# Altium PCB Pleiades_Frouf.PcbDoc (part 2 of 12) (continued)
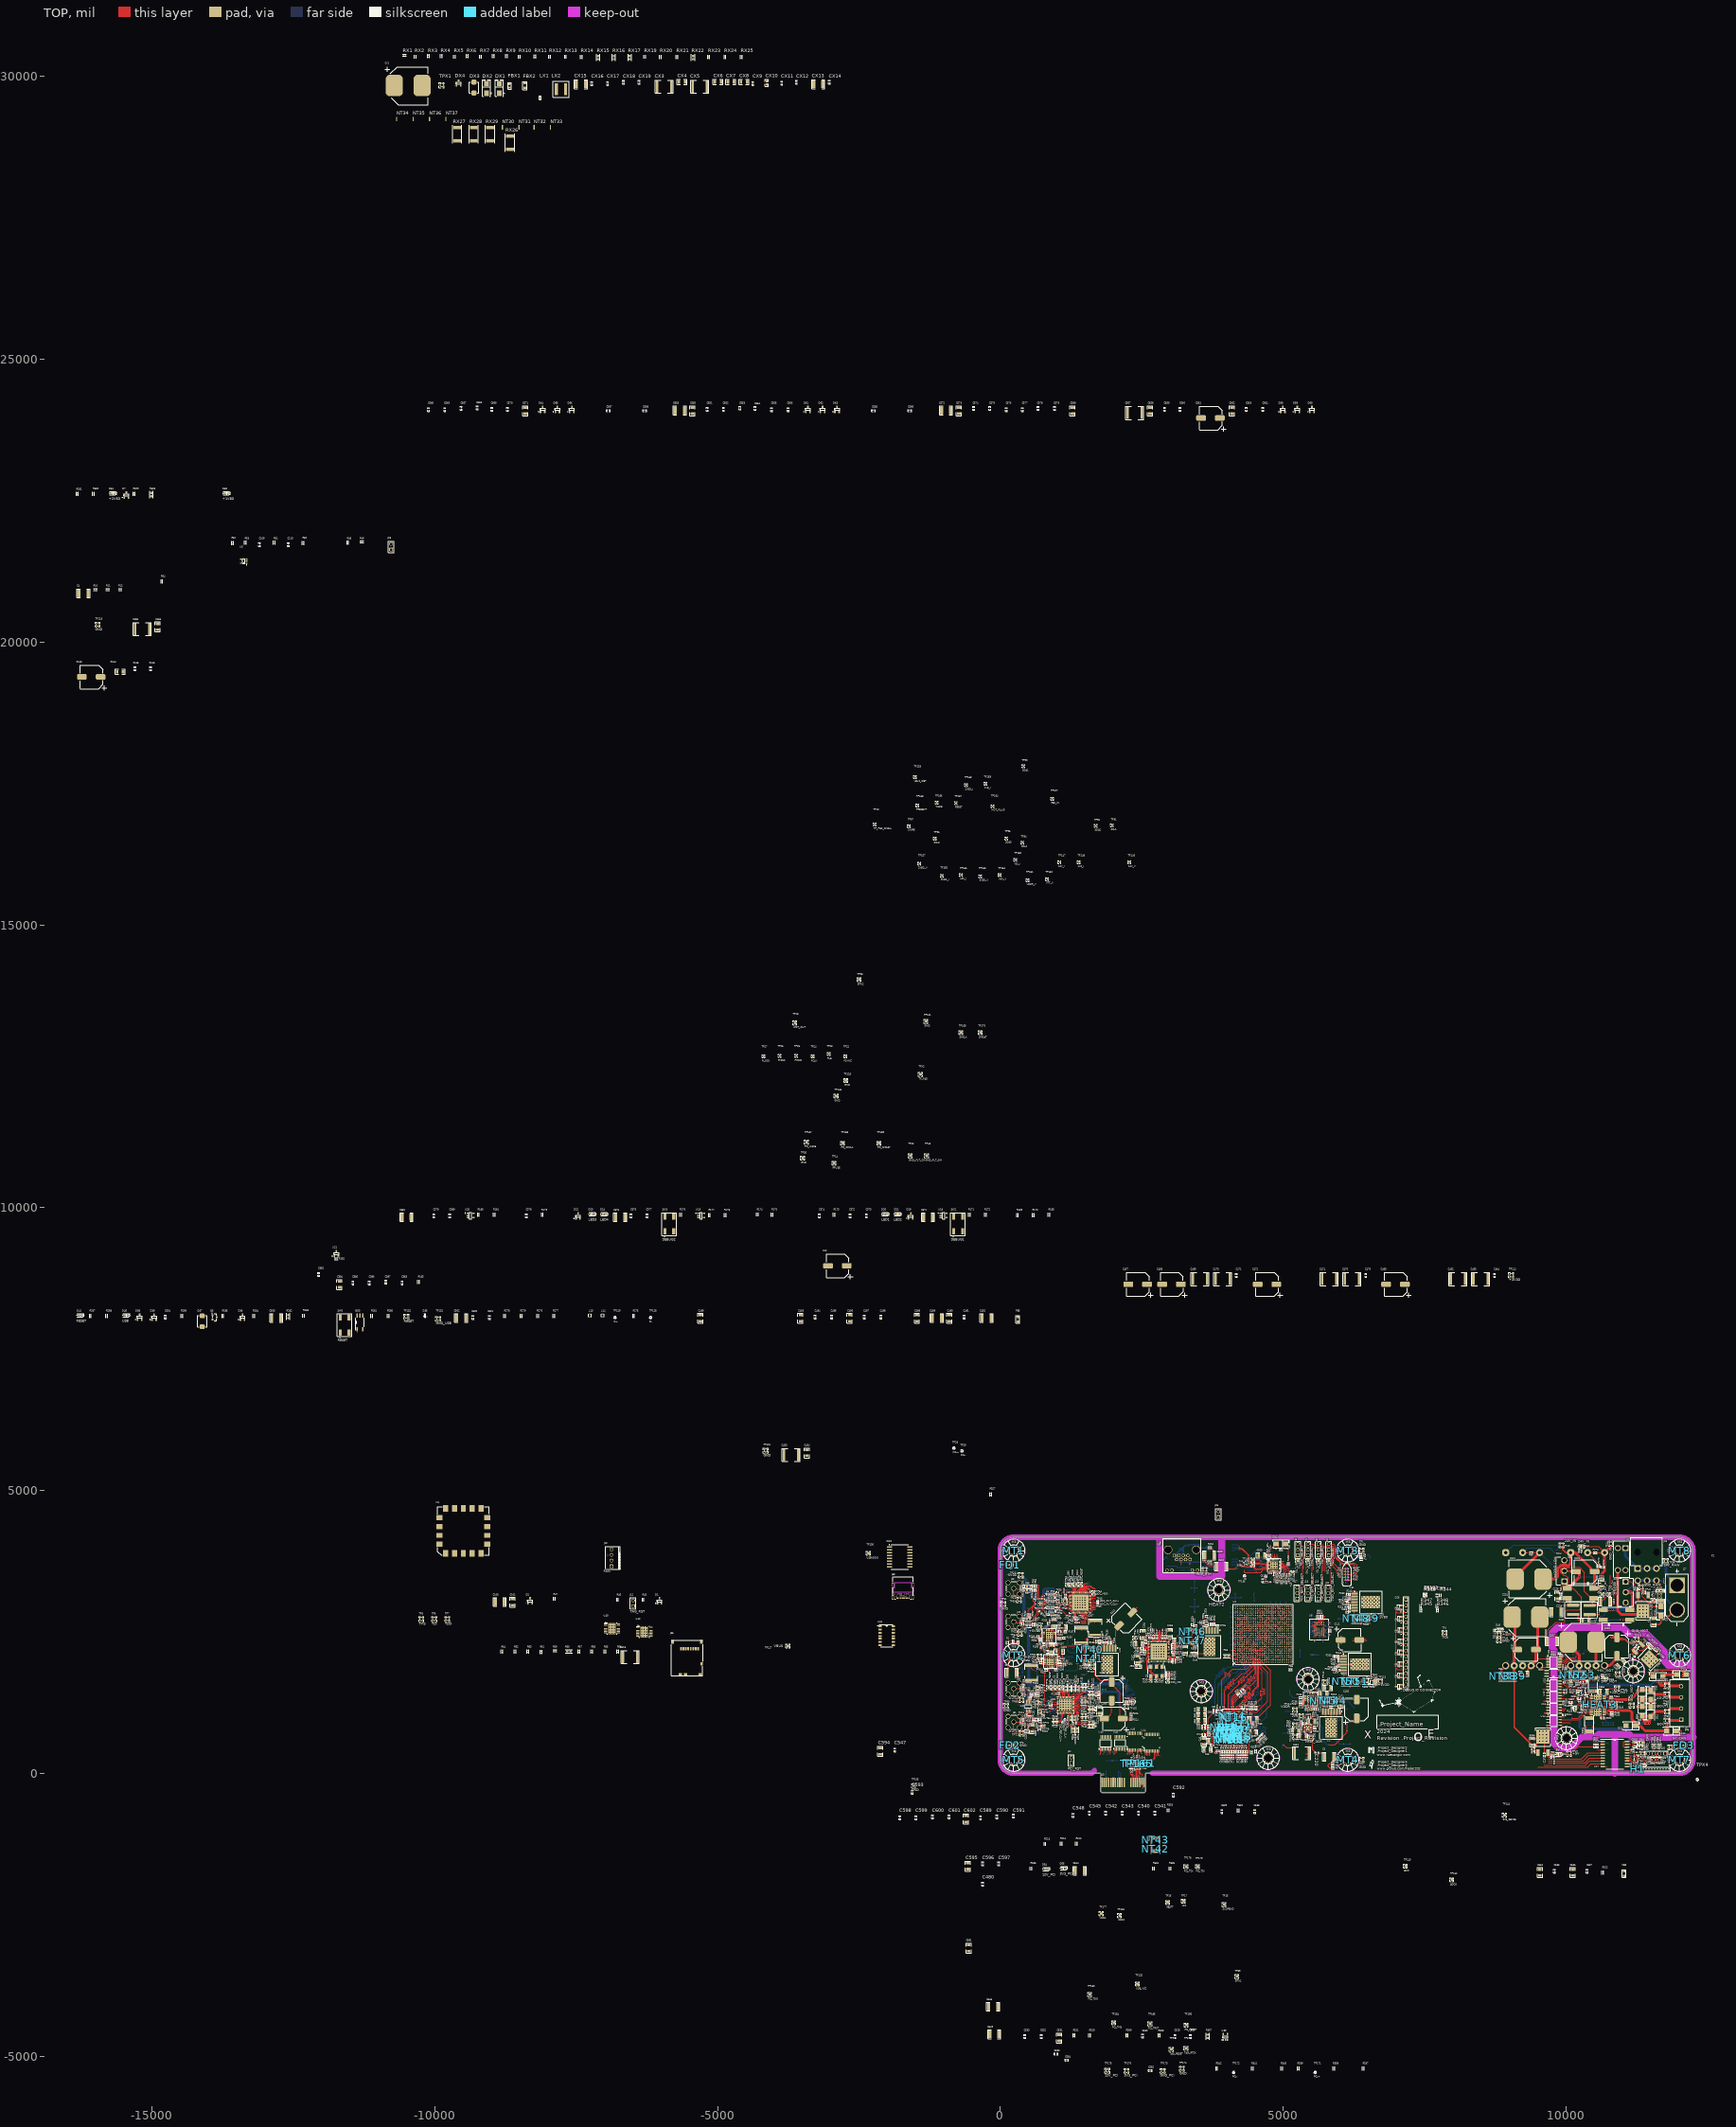
[diagram p0: TOP view]
## Components (designator, comment, footprint, x,y, rotation, side; value= is the part's Value field where it differs from the comment) (continued)
MT3 "M3" MTH_M3 6141.73,3937.01 r0 top locked
MT4 "M3" MTH_M3 6141.73,236.22 r0 top locked
MT5 "M3" MTH_M3 236.22,236.22 r0 top locked
MT6 "M3" MTH_M3 12007.87,2086.61 r0 top locked
MT7 "M3" MTH_M3 12007.87,236.22 r0 top locked
MT8 "M3" MTH_M3 12007.87,3937.01 r0 top locked
NT1 "Net Tie" NETTIE_9#1 4063.99,717.24 r180 top net-tie
NT2 "Net Tie" NETTIE_9#1 4262.2,825.69 r180 top net-tie
NT3 "Net Tie" NETTIE_9#1 4133.63,603.01 r90 top net-tie
NT4 "Net Tie" NETTIE_9#1 4000.01,755 r90 top net-tie
NT5 "Net Tie" NETTIE_9#1 4043.83,668.04 r180 bottom net-tie
NT6 "Net Tie" NETTIE_9#1 4019.36,840.99 r315 bottom net-tie
NT7 "Net Tie" NETTIE_9#1 3938.99,703.76 r0 top net-tie
NT8 "Net Tie" NETTIE_9#1 4036.61,803.54 r45 top net-tie
NT9 "Net Tie" NETTIE_9#1 4196.79,702.15 r180 bottom net-tie
NT10 "Net Tie" NETTIE_9#1 4085.23,781.03 r135 top net-tie
NT11 "Net Tie" NETTIE_9#1 3989.06,668.04 r0 bottom net-tie
NT12 "Net Tie" NETTIE_9#1 3951.5,811.02 r0 top net-tie
NT13 "Net Tie" NETTIE_9#1 4213.82,644.78 r135 top net-tie
NT14 "Net Tie" NETTIE_9#1 4103.34,1014.97 r225 top net-tie
NT15 "Net Tie" NETTIE_9#1 4028.93,639.33 r180 bottom net-tie
NT16 "Net Tie" NETTIE_9#1 4137.28,987.6 r315 top net-tie
NT17 "Net Tie" NETTIE_9#1 4205.18,588.02 r90 top net-tie
NT18 "Net Tie" NETTIE_9#1 4004.35,588.02 r90 top net-tie
NT19 "Net Tie" NETTIE_9#1 4043.86,645.51 r45 top net-tie
NT20 "Net Tie" NETTIE_9#1 4157.19,769.14 r45 top net-tie
NT21 "Net Tie" NETTIE_9#1 4163.38,644.35 r45 top net-tie
NT22 "Net Tie" NETTIE_9#1 4198.87,741.75 r225 bottom net-tie
NT23 "Net Tie" NETTIE_9#1 4025.74,737.03 r315 bottom net-tie
NT24 "Net Tie" NETTIE_9#1 4154.23,846.17 r180 bottom net-tie
NT25 "Net Tie" NETTIE_9#1 4046.84,602.41 r90 top net-tie
NT26 "Net Tie" NETTIE_9#1 4228.76,730 r180 bottom net-tie
NT27 "Net Tie" NETTIE_9#2 4151.54,822.81 r180 top net-tie
NT28 "Net Tie" NETTIE_9#1 4173.03,609.19 r90 top net-tie
NT29 "Net Tie" NETTIE_9#1 4063.04,747.12 r180 top net-tie
NT30 "Net Tie" NETTIE_20 -8802.4,29099.09 r90 top net-tie
NT31 "Net Tie" NETTIE_20 -8512.4,29099.09 r90 top net-tie
NT32 "Net Tie" NETTIE_20 -8242.4,29099.09 r90 top net-tie
NT33 "Net Tie" NETTIE_20 -7952.4,29099.09 r90 top net-tie
NT34 "Net Tie" NETTIE_20 -10672.4,29249.09 r90 top net-tie
NT35 "Net Tie" NETTIE_20 -10382.4,29249.09 r90 top net-tie
NT36 "Net Tie" NETTIE_20 -10092.4,29249.09 r90 top net-tie
NT37 "Net Tie" NETTIE_20 -9802.4,29249.09 r90 top net-tie
NT38 "Net Tie" NETTIE_5 8889.5,1720 r0 top net-tie
NT39 "Net Tie" NETTIE_5 9050.5,1720 r180 top net-tie
NT40 "Net Tie" NETTIE_5 1585,2181.68 r270 top net-tie
NT41 "Net Tie" NETTIE_5 1585,2026.68 r90 top net-tie
NT42 "Net Tie" NETTIE_5 2745,-1339.5 r90 top net-tie
NT43 "Net Tie" NETTIE_5 2745,-1179.5 r270 top net-tie
NT44 "Net Tie" NETTIE_5 5879.64,1283.85 r180 top net-tie
NT45 "Net Tie" NETTIE_5 5717.98,1283.85 r0 top net-tie
NT46 "Net Tie" NETTIE_5 3400,2501.43 r270 top net-tie
NT47 "Net Tie" NETTIE_5 3400,2341.43 r90 top net-tie
NT48 "Net Tie" NETTIE_5 6294.09,2735 r0 top net-tie
NT49 "Net Tie" NETTIE_5 6456.93,2735 r180 top net-tie
NT50 "Net Tie" NETTIE_5 6106.19,1624.96 r0 top net-tie
NT51 "Net Tie" NETTIE_5 6265.19,1624.96 r180 top net-tie
NT52 "Net Tie" NETTIE_5 10124.53,1736.68 r0 top net-tie
NT53 "Net Tie" NETTIE_5 10282.79,1736.68 r180 top net-tie
Q1 "FQD8P10TM-F085" DPAK 11364.3,3009.54 r180 top
Q2 "FQD8P10TM-F085" DPAK 11620,3045 r180 bottom
Q3 "SI2310-TP" TRX_NMOS_SI2310-TP 10306.66,1462.98 r180 top
Q4 "SI2310-TP" TRX_NMOS_SI2310-TP 11250.12,259.32 r0 top
Q5 "SI2310-TP" TRX_NMOS_SI2310-TP -13891.39,8061.7 r0 top
Q6 "BSH105" SOT23-3 6525.99,1639.32 r270 top
Q7 "BSH105" SOT23-3 -15452.56,22600.29 r0 top
R1 "DNF" RES_0402 122.22,2307.18 r90 top
R2 "DNF" RES_0402 316.22,2317.69 r90 top
R3 "DNF" RES_0402 229.67,2328.9 r90 top
R4 "DNF" RES_0402 6380.23,3786.32 r0 top
R5 "DNF" RES_0402 6377.19,3829.81 r0 top
R6 "DNF" RES_0402 6373.48,3868.63 r0 top
R7 "DNF" RES_0402 5877.7,134.11 r0 top
R8 "DNF" RES_0402 5877.93,89.82 r0 top
R9 "DNF" RES_0402 5877.7,179.11 r0 top
R10 "DNF" RES_0402 -16001.68,20931.8 r0 top
R11 "DNF" RES_0402 -15781.21,20931.8 r0 top
R12 "DNF" RES_0402 -15560.74,20931.8 r0 top
R13 "240R" RES_0603 4154.46,426.29 r90 bottom
R14 "4K7" RES_0402 4452,894.34 r0 top
R15 "40R2" RES_0402 4432.52,860.94 r0 top
R16 "40R2" RES_0402 4032.28,380.25 r270 top
R17 "40R2" RES_0402 4193,380.25 r270 top
R18 "40R2" RES_0402 3687.15,730 r180 top
R19 "40R2" RES_0402 4035.08,380.25 r270 bottom
R20 "40R2" RES_0402 3696.42,856.38 r180 bottom
R21 "40R2" RES_0402 3685.45,686.55 r180 top
R22 "40R2" RES_0402 3687.45,795.26 r180 top
R23 "40R2" RES_0402 4377,630.92 r0 bottom
R24 "40R2" RES_0402 4115.49,380.25 r270 top
R25 "40R2" RES_0402 3696.42,689.49 r180 bottom
R26 "40R2" RES_0402 3687.15,840.4 r180 top
R27 "40R2" RES_0402 4359.68,380.25 r270 top
R28 "40R2" RES_0402 4206.63,1413.25 r45 top
R29 "40R2" RES_0402 3990.67,380.25 r270 bottom
R30 "40R2" RES_0402 4235.88,1383.41 r45 top
R31 "40R2" RES_0402 3907.46,380.25 r270 top
R32 "40R2" RES_0402 4317.82,380.25 r270 top
R33 "4K7" RES_0402 3842.31,397.75 r180 top
R34 "40R2" RES_0402 3949.07,380.25 r270 top
R35 "40R2" RES_0402 4154.46,380.25 r270 top
R36 "40R2" RES_0402 4234.61,380.25 r270 top
R37 "40R2" RES_0402 4621.75,837.52 r0 bottom
R38 "40R2" RES_0402 4562.9,727.95 r0 bottom
R39 "40R2" RES_0402 3696.42,771.15 r180 bottom
R40 "40R2" RES_0402 3990.67,380.25 r270 top
R41 "40R2" RES_0402 4377,673.51 r0 bottom
R42 "40R2" RES_0402 4623.38,795.38 r0 bottom
R43 "40R2" RES_0402 4276.22,380.25 r270 top
R44 "40R2" RES_0402 4073.88,380.25 r270 top
R45 "100R" RES_0402 -6314.04,3068 r90 top
R46 "100R" RES_0402 -6766.8,3068 r90 top
R47 "4K7" RES_0402 -7884.9,3083.74 r90 top
R48 "0R" RES_0402 -11536,21760 r90 top
R49 "0R" RES_0402 -11291.91,21775.75 r0 top
R50 "1K13" RES_0402 -12327.34,21752.13 r90 top
R51 "DNF" RES_0402 -12835.21,21760 r90 top
R52 "11R2" RES_0402 -13575.37,21752.13 r90 top
R53 "0R" RES_0402 -13347.02,21760 r90 top
R54 "100K" RES_0402 -14824.84,21073.19 r90 top
R55 "DNF" RES_0402 -6990.02,2153.55 r90 top
R56 "DNF" RES_0402 -6761.68,2153.55 r90 top
R57 "0R" RES_0402 -7450.65,2153.55 r90 top
R58 "0R" RES_0402 -7222.31,2153.55 r90 top
R59 "100R" RES_0402 -7875.85,2169.3 r0 top
R60 "330R" RES_0603 -7627.82,2157.49 r0 top
R61 "100R" RES_0402 -8119.94,2141.74 r90 top
R62 "4K7" RES_0402 -8580.57,2153.55 r90 top
R63 "0R" RES_0402 -8352.23,2153.55 r90 top
R64 "0R" RES_0402 -8808.92,2153.55 r90 top
R65 "0R" RES_0402 5130.61,1831.85 r0 top
R66 "240R" RES_0603 4002.6,2073.37 r180 top
R67 "0R" RES_0402 3150,2235 r270 bottom
R68 "0R" RES_0402 2859,1880.38 r90 bottom
R69 "DNF" RES_0402 2505,2170 r180 top
R70 "0R" RES_0402 2628.03,2454.28 r90 top
R71 "DNF" RES_0402 2653.54,2397.59 r0 top
R72 "1K" RES_0402 2674.22,2533.43 r90 top
R73 "1K" RES_0402 3065,2102.52 r0 top
R74 "1K" RES_0402 3140,2046.98 r180 top
R75 "1K" RES_0402 2533.94,2082.83 r180 bottom
R76 "100K" RES_0402 5829.23,2521.13 r90 top
R77 "100K" RES_0402 5689.5,2770 r90 top
R78 "100K" RES_0402 5613.01,2769.33 r90 top
R79 "100K" RES_0402 5650,2769.33 r270 top
R80 "1M" RES_0402 9917.45,3164.08 r270 top
R81 "1M" RES_0402 11256.81,3256.22 r90 top
R82 "10K" RES_0402 11650,2880 r90 bottom
R83 "47K" RES_0402 11397.55,3197.98 r90 top
R84 "1M" RES_0402 9917.45,3092.55 r270 top
R85 "30mR" RES_2512 8971.6,1715 r0 top
R86 "47K" RES_0402 9822.52,3917.1 r270 bottom
R87 "4K7" RES_0402 9010,1985 r0 bottom
R88 "100K" RES_0402 9387.5,3901.1 r0 top
R89 "12K" RES_0402 10250,3930 r90 top
R90 "1K13" RES_0402 9765,325 r0 top
R91 "49R9" RES_0603 1130,2833.37 r270 bottom
R92 "49R9" RES_0603 1060.13,2834.11 r270 bottom
R93 "11R2" RES_0402 913.81,3171.49 r0 top
R94 "768R" RES_0402 625.67,3309.61 r270 top
R95 "768R" RES_0402 585.67,3309.61 r270 top
R96 "330R" RES_0603 500.55,3303.18 r0 top
R97 "330R" RES_0603 500.55,3234.87 r0 top
R98 "56R2" RES_0402 409.43,3234.65 r270 top
R99 "11R2" RES_0402 912.38,3057.19 r0 top
R100 "768R" RES_0402 582.32,3233.79 r270 top
R101 "768R" RES_0402 622.32,3233.79 r270 top
R102 "768R" RES_0402 529.66,2798.13 r270 top
R103 "768R" RES_0402 489.72,2799.22 r270 top
R104 "11R2" RES_0402 919.31,2928.06 r0 top
R105 "330R" RES_0603 495.89,2723.66 r0 top
R106 "330R" RES_0603 495.89,2608 r0 top
R107 "56R2" RES_0402 402.97,2640 r270 top
R108 "768R" RES_0402 583.2,2627.01 r90 top
R109 "768R" RES_0402 623.83,2628.76 r90 top
R110 "11R2" RES_0402 922.04,2810.99 r0 top
R111 "100K" RES_0402 529.39,1330.47 r180 top
R112 "11R2" RES_0402 546.89,1376.66 r180 top
R113 "40R2" RES_0402 409.43,1478.56 r90 top
R114 "11R2" RES_0402 546.89,1415.35 r180 top
R115 "174R" RES_0603 661.5,1502.69 r90 top
R116 "174R" RES_0603 650,1248.1 r270 top
R117 "60K4" RES_0402 409.43,1396.06 r90 top
R118 "100K" RES_0402 526.64,1009.71 r180 top
R119 "11R2" RES_0402 588.01,965.84 r180 top
R120 "40R2" RES_0402 409.43,867.5 r90 top
R121 "11R2" RES_0402 588.01,925.45 r180 top
R122 "174R" RES_0603 700.6,805.51 r270 top
R123 "174R" RES_0603 703,1092.11 r90 top
R124 "60K4" RES_0402 458.81,1020 r270 top
R125 "49R9" RES_0603 970.61,883.4 r180 top
R126 "49R9" RES_0603 970.61,952.01 r180 top
R127 "49R9" RES_0603 1475,1232.92 r0 top
R128 "49R9" RES_0603 1474.62,1298.1 r0 top
R129 "10K" RES_0402 1030.61,1410.16 r270 top
R130 "49R9" RES_0603 1609.03,1099.15 r0 top
R131 "49R9" RES_0603 1603.13,830.06 r0 top
R132 "49R9" RES_0603 1482.57,1495.62 r0 top
R133 "49R9" RES_0603 1608.34,1165.49 r0 top
R134 "49R9" RES_0603 1604.88,900.33 r0 top
R135 "49R9" RES_0603 1482.57,1560.7 r0 top
R136 "49R9" RES_0603 1294.27,760.45 r270 top
R137 "49R9" RES_0603 1481.71,971.07 r0 top
R138 "49R9" RES_0603 1368.85,1500.38 r90 top
R139 "49R9" RES_0603 1358.35,760.45 r270 top
R140 "49R9" RES_0603 1481.27,1037.62 r0 top
R141 "49R9" RES_0603 1300.99,1497.63 r90 top
R142 "10K" RES_0402 888.31,1180.88 r180 top
R143 "49R9" RES_0603 1244.16,973.28 r270 top
R144 "49R9" RES_0603 1608.34,1363.13 r0 top
R145 "49R9" RES_0603 1228.2,1499.4 r90 top
R146 "49R9" RES_0603 1313.02,973.28 r270 top
R147 "49R9" RES_0603 1608.91,1428.13 r0 top
R148 "49R9" RES_0603 1157.01,1499.49 r90 top
R149 "100K" RES_0402 10111.44,1151.62 r90 top
R150 "100K" RES_0402 10863.42,1317.05 r180 bottom
R151 "100K" RES_0402 10812.64,1070.87 r180 top
R152 "100K" RES_0402 10364.03,1195.06 r90 top
R153 "150mR" RES_2512 10477.36,1568.75 r90 top
R154 "100K" RES_0402 10803.24,1350.89 r0 top
R155 "100K" RES_0402 10812.64,1028.54 r0 top
R156 "150mR" RES_2512 10411.33,857.98 r270 top
R157 "1K" RES_0402 10208.09,1419.97 r180 top
R158 "5K1" RES_0402 10208.54,1459.58 r180 top
R159 "100K" RES_0402 10356.8,1374.11 r180 top
R160 "47K" RES_0402 10081.42,1222.71 r180 top
R161 "47K" RES_0402 10237.68,1290.45 r180 top
R162 "5K1" RES_0402 10140,1290.41 r0 bottom
R163 "5K1" RES_0402 10167.51,1200.89 r0 bottom
R164 "1K13" RES_0402 11267.62,131.78 r0 top
R165 "1M" RES_0402 11178.74,412.76 r180 top
R166 "120R" RES_0402 11466.53,275.32 r180 top
R167 "0R" RES_0402 11150.48,144.14 r270 top
R168 "100K" RES_0402 864.49,9872.72 r90 top
R169 "768R" RES_0402 305.43,9868.78 r90 top
R170 "768R" RES_0402 584.96,9868.78 r90 top
R171 "10K" RES_0402 -544.96,9872.72 r90 top
R172 "10K" RES_0402 -261.5,9872.72 r90 top
R173 "4K7" RES_0402 -2934.72,9872.72 r90 top
R174 "10K" RES_0402 -4292.98,9880.59 r90 top
R175 "10K" RES_0402 -4033.14,9872.72 r90 top
R176 "100K" RES_0402 -5651.25,9872.72 r90 top
R177 "768R" RES_0402 -5143.38,9868.78 r90 top
R178 "768R" RES_0402 -4863.85,9868.78 r90 top
R179 "4K7" RES_0402 -8096.13,9872.72 r90 top
R180 "10K" RES_0402 -9226.05,9872.72 r90 top
R181 "10K" RES_0402 -8946.52,9872.72 r90 top
R182 "1K" RES_0402 -11740,9094 r180 top
R183 "100K" RES_0402 -10282.45,8687.72 r90 top
R184 "500mR" RES_2512 1585,2102.18 r90 top
R185 "0R" RES_0402 1970.4,2311.4 r90 top
R186 "25K" RES_0402 1705.2,2327.91 r90 top
R187 "0R" RES_0402 1150.7,2503.1 r0 top
R188 "0R" RES_0402 1050.2,1979.02 r0 top
R189 "4K7" RES_0402 1797.83,2328.9 r90 top
R190 "DNF" RES_0402 1120.06,2395.59 r0 top
R191 "0R" RES_0402 1135.4,1933.84 r0 top
R192 "DNF" RES_0402 1037.63,2385.3 r0 top
R193 "0R" RES_0402 1053.35,1927.84 r0 top
R194 "4K7" RES_0402 1857.83,2314.13 r0 top
R195 "1M" RES_0402 1924.59,2310.78 r270 top
R196 "0R" RES_0402 1908.59,2403.11 r180 top
R197 "0R" RES_0402 987.74,2286.61 r0 top
R198 "DNF" RES_0402 986.93,1835 r0 top
R199 "DNF" RES_0402 730.6,2231.61 r180 top
R200 "DNF" RES_0402 913.27,1819 r270 bottom
R201 "DNF" RES_0402 777.59,2277.35 r180 top
R202 "0R" RES_0402 813.18,1824.23 r180 top
R203 "0R" RES_0402 705.15,2338.39 r180 top
R204 "DNF" RES_0402 836.01,1901.84 r90 bottom
R205 "1M" RES_0402 842.01,2644.26 r90 top
R206 "1M" RES_0402 913.27,2050.83 r270 bottom
R207 "DNF" RES_0402 704.86,2381.28 r180 top
R208 "DNF" RES_0402 780.36,1927.84 r0 bottom
R209 "DNF" RES_0402 665.35,2419.28 r180 top
R210 "DNF" RES_0402 715.75,1957.49 r180 top
R211 "500mR" RES_2512 2745,-1260 r90 top
R212 "0R" RES_0402 1349.92,-1245.95 r90 top
R213 "1M" RES_0402 790.87,-1249.89 r90 top
R214 "10K5" RES_0402 1078.27,-1245.95 r90 top
R215 "0R" RES_0402 2376,1410.03 r90 bottom
R216 "47K" RES_0402 2165.96,1655.89 r0 bottom
R217 "1M" RES_0402 2337.44,1435.67 r90 bottom
R218 "25K" RES_0402 2242.7,1655.89 r0 bottom
R219 "150mR" RES_2512 5800.96,1277.05 r0 top
R220 "100K" RES_0402 5559.48,822.3 r180 top
R221 "0R" RES_0402 5919.07,1129.35 r0 bottom
R222 "1K" RES_0402 5783.42,1249.43 r0 bottom
R223 "0R" RES_0402 5559.48,777.86 r180 top
R224 "4K7" RES_0402 5847.46,1174.49 r0 top
R225 "1M" RES_0402 5919.07,1172.78 r180 bottom
R226 "0R" RES_0402 5988.46,933.4 r180 bottom
R227 "100K" RES_0402 5324.88,834.95 r90 top
R228 "100K" RES_0402 5324.99,906.01 r90 top
R229 "0R" RES_0402 5662.2,1310.67 r0 bottom
R230 "0R" RES_0402 5578.49,1283.85 r180 bottom
R231 "DNF" RES_0402 5608.69,1134.15 r270 top
R232 "DNF" RES_0402 5569.14,1135.58 r270 top
R233 "DNF" RES_0402 5529.01,1135.58 r270 top
R234 "DNF" RES_0402 5489.64,1135.58 r270 top
R235 "DNF" RES_0402 5407.26,1135.58 r270 top
R236 "1M" RES_0402 5309.3,1341.68 r180 top
R237 "DNF" RES_0402 5309.3,1221.6 r180 top
R238 "DNF" RES_0402 5309.3,1261.05 r180 top
R239 "10mR" RES_2512 3400,2421.93 r90 top
R240 "30mR" RES_2512 6372.43,2735 r180 top
R241 "10mR" RES_2512 6187.29,1624.96 r180 top
R242 "47K" RES_0402 3839.95,2615.86 r180 top
R243 "10K5" RES_0402 6173.26,3160 r270 top
R244 "10K5" RES_0402 5978.69,2059.96 r270 top
R245 "0R" RES_0402 3745,2631.93 r90 top
R246 "4K7" RES_0402 3644.5,2614.75 r0 top
R247 "0R" RES_0402 6170.7,3085.58 r90 top
R248 "40R2" RES_0402 6134.36,2844.03 r90 top
R249 "0R" RES_0402 5978.69,1989.96 r90 top
R250 "4K7" RES_0402 5891.29,1839.98 r180 top
R251 "4K7" RES_0402 5925,1882.46 r180 top
R252 "10K" RES_0402 3645,2776.93 r0 top
R253 "5K1" RES_0402 6174.45,2957.52 r270 top
R254 "768R" RES_0402 6119.19,2937.78 r180 top
R255 "4K7" RES_0402 3605,2690.31 r180 top
R256 "4K7" RES_0402 6138.66,3017.67 r0 top
R257 "4K7" RES_0402 5981.33,1899.96 r90 top
r258 "4K7" RES_0402 3701.69,2632.87 r270 top (schematic designator R258)
R259 "0R" RES_0402 3785,2631.93 r90 top
R260 "4K7" RES_0402 6132.5,3160 r90 top
R261 "0R" RES_0402 6114.85,3062.96 r180 top
R262 "4K7" RES_0402 5939.28,2062.41 r90 top
R263 "0R" RES_0402 5893,2064.92 r90 top
R264 "47K" RES_0402 9996.69,1849.9 r90 top
R265 "47K" RES_0402 9917.45,2081.59 r0 top
R266 "47K" RES_0402 10370.6,1624.56 r90 top
R267 "47K" RES_0402 9885.45,2122.47 r180 top
R268 "47K" RES_0402 10199.51,1594.87 r180 top
R269 "10mR" RES_2512 10202.68,1739.68 r180 top locked
R270 "47K" RES_0402 10588.6,3665 r90 top
R271 "10K" RES_0402 10428.99,1794.55 r90 top
R272 "12K" RES_0402 10651.42,1731.66 r0 top
R273 "1K13" RES_0402 11571.68,2193.27 r135 top
R274 "10K" RES_0402 10517.94,3898 r0 top
R275 "0R" RES_0402 -6481.96,8085.32 r90 top
R276 "10K" RES_0402 -8178.8,8085.32 r90 top
R277 "10K" RES_0402 -7891.4,8085.32 r90 top
R278 "10K" RES_0402 -8761.48,8085.32 r90 top
R279 "10K" RES_0402 -8470.14,8085.32 r90 top
R280 "100K" RES_0402 -10820.53,8085.32 r90 top
R281 "100K" RES_0402 -11111.87,8085.32 r90 top
R282 "174R" RES_0603 -12592.18,8073.51 r90 top
R283 "0R" RES_0402 -12316.59,8089.26 r90 top
R284 "1K13" RES_0402 -13198.48,8085.32 r90 top
R285 "768R" RES_0402 -13745.72,8085.32 r90 top
R286 "4K7" RES_0402 -14470.13,8085.32 r90 top
R287 "5K1" RES_0402 -16088.24,8085.32 r90 top
R288 "5K1" RES_0402 -15796.9,8085.32 r90 top
R289 "1K" RES_0402 4930.41,3581.92 r180 bottom
R290 "1K" RES_0402 5096.89,3701.93 r270 top
R291 "75R" RES_0402 3195.71,3656.8 r270 bottom
R292 "75R" RES_0402 3355.71,3656.8 r270 bottom
R293 "75R" RES_0402 3705,3740 r0 top
R294 "75R" RES_0402 3705,3990 r0 top
R295 "10K" RES_0402 4961.34,3960.05 r180 top
R296 "40R2" RES_0402 5016.49,3505.47 r270 top
R297 "40R2" RES_0402 5096.89,3505.1 r270 top
R298 "40R2" RES_0402 4976.33,3381.39 r270 top
R299 "40R2" RES_0402 4934.17,3513.16 r270 top
R300 "40R2" RES_0402 4894.8,3392.47 r270 top
R301 "40R2" RES_0402 4855.43,3512.04 r270 top
R302 "40R2" RES_0402 5057.56,3377.03 r270 top
R303 "6K4" RES_0402 4795.94,3486.71 r270 bottom
R304 "75R" RES_0402 4796.35,3413.39 r270 bottom
R305 "240R" RES_0603 3289.6,3587.72 r180 bottom
R306 "330R" RES_0603 3159.65,3587.72 r180 bottom
R307 "174R" RES_0603 3665.88,-4651.83 r90 top
R308 "1K" RES_0402 2811.55,-4636.09 r90 top
R309 "1K" RES_0402 2240.69,-4636.09 r90 top
R310 "100K" RES_0402 1583.21,-4636.09 r90 top
R311 "6K4" RES_0402 1303.68,-4636.09 r90 top
R312 "1K" RES_0402 10655,-1757.5 r90 top
R313 "5K1" RES_0402 6567.66,1559.32 r0 top
R314 "5K1" RES_0402 8740,2523.72 r90 top
R315 "47K" RES_0402 6492.66,1559.32 r180 top
R316 "10K" RES_0402 6433.8,1584.32 r90 top
R317 "1M" RES_0402 6433.8,1659.32 r270 top
R318 "0R" RES_0402 4441.54,366.34 r90 top
R319 "0R" RES_0402 4517.56,383.84 r90 top
R320 "4K7" RES_0402 2223.9,1264.4 r180 top
R321 "768R" RES_0402 3443.65,2234.26 r0 top
R322 "1K13" RES_0402 1478.64,1978.99 r270 top
R323 "25K" RES_0402 3449,2609.02 r0 top
R324 "12K" RES_0402 2320,958.15 r90 top
R325 "47K" RES_0402 3394.3,2624.6 r270 top
R326 "10K5" RES_0402 2320,1035.84 r90 top
R327 "5K1" RES_0402 -170.46,4931.4 r90 top
R328 "330R" RES_0603 -15011.62,22608.17 r90 top
R329 "4K7" RES_0402 -15314.77,22619.98 r90 top
R330 "47K" RES_0402 -16031.3,22619.98 r90 top
R331 "1M" RES_0402 -16318.7,22619.98 r90 top
R332 "100R" RES_0402 4207.08,-658.76 r90 top
R333 "100R" RES_0402 2966.93,-654.83 r90 top
R334 "6K4" RES_0402 2712,-1686.81 r90 top
R335 "768R" RES_0402 3003.34,-1686.81 r90 top
R336 "1K" RES_0402 546.65,-1686.81 r90 top
R337 "1K" RES_0402 6417.85,-5218.76 r90 top
R338 "10K" RES_0402 5898.16,-5218.76 r90 top
R339 "16K9" RES_0402 5268.24,-5218.76 r90 top
R340 "100R" RES_0402 4976.9,-5218.76 r90 top
R341 "DNF" RES_0402 4457.22,-5218.76 r90 top
R342 "10K" RES_0402 3827.3,-5218.76 r90 top
R343 "47K" RES_0402 7495,3142.5 r90 top
R344 "47K" RES_0402 7785,3142.5 r90 top
R345 "47K" RES_0402 7440,2877.5 r90 top
R346 "47K" RES_0402 7730,2877.5 r90 top
R347 "47K" RES_0402 7435,2952.5 r90 top
R348 "47K" RES_0402 7725,2952.5 r90 top
RX1 "1M" RES_0402 -10536.8,30379.09 r0 top
RX2 "100K" RES_0402 -10341.8,30349.09 r90 top
RX3 "47K" RES_0402 -10111.8,30359.09 r90 top
RX4 "25K" RES_0402 -9881.8,30359.09 r90 top
RX5 "16K9" RES_0402 -9651.8,30349.09 r90 top
RX6 "12K" RES_0402 -9421.8,30359.09 r90 top
RX7 "10K5" RES_0402 -9191.8,30349.09 r90 top
RX8 "10K" RES_0402 -8961.8,30359.09 r90 top
RX9 "6K4" RES_0402 -8731.8,30359.09 r90 top
RX10 "5K1" RES_0402 -8501.8,30349.09 r90 top
RX11 "4K7" RES_0402 -8226.8,30354.09 r90 top
RX12 "1K13" RES_0402 -7966.8,30349.09 r90 top
RX13 "1K" RES_0402 -7686.8,30349.09 r90 top
RX14 "768R" RES_0402 -7406.8,30344.09 r90 top
RX15 "330R" RES_0603 -7111.8,30334.09 r90 top
RX16 "240R" RES_0603 -6831.8,30334.09 r90 top
RX17 "174R" RES_0603 -6551.8,30334.09 r90 top
RX18 "120R" RES_0402 7495,3142.5 r90 top
RX19 "100R" RES_0402 -6286.8,30349.09 r90 top
RX20 "75R" RES_0402 -6006.8,30344.09 r90 top
RX21 "56R2" RES_0402 -5716.8,30344.09 r90 top
RX22 "49R9" RES_0603 -5431.8,30334.09 r90 top
RX23 "40R2" RES_0402 -5156.8,30344.09 r90 top
RX24 "11R2" RES_0402 -4866.8,30344.09 r90 top
RX25 "0R" RES_0402 -4576.8,30344.09 r90 top
RX26 "500mR" RES_2512 -8670,28830 r90 top
RX27 "150mR" RES_2512 -9602.4,28979.09 r90 top
RX28 "30mR" RES_2512 -9312.4,28979.09 r90 top
RX29 "10mR" RES_2512 -9022.4,28979.09 r90 top
SW1 "ON/OFF" 1101M2S3CQE2 11057.63,3201.05 r270 top
SW2 "DEBUG1" SWI_TACT_B3SN-3012P -745.75,9711.3 r90 top
SW3 "DEBUG2" SWI_TACT_B3SN-3012P -5852.04,9711.3 r90 top
SW4 "MOT ON/OFF" 1101M2S3CQE2 9971.76,3578.7 r90 top
SW5 "RESET" SWI_TACT_B3SN-3012P -11592.18,7923.91 r90 top
T1 "H1102NLT" TRANSFO_H1102NLT 3910,3865 r180 bottom value="1:1 (350uH)"
TP1 "GND" TP_HOLE 6385.83,3937.01 r0 top locked
TP2 "GND" TP_HOLE 6385.83,236.22 r0 top locked
TP3 "GND" TP_HOLE 276.22,492.13 r0 top locked
TP4 "TCK" TP_HOLE 7856.72,2482.3 r0 top
TP5 "TMS" TP_HOLE -10235.84,2727.25 r0 top
TP6 "TDI" TP_HOLE -10007.5,2727.25 r0 top
TP7 "TDO" TP_HOLE -9775.22,2727.25 r0 top
TP8 "TAG_RTCK" TP_PAD 3282.96,-4861.38 r90 top
TP9 "TAG_RESET" TP_PAD 3023.11,-4881.06 r90 top
TP10 "EXT_TCK" TP_PAD 5260,3757.25 r0 top
TP11 "EXT_TMS" TP_PAD 5440,3757.25 r0 top
TP12 "EXT_TDI" TP_PAD 5625,3757.25 r0 top
TP13 "EXT_TDO" TP_PAD 5806.66,3757.25 r0 top
TP14 "RFUSE" TP_PAD -2938.41,10787.68 r90 top
TP15 "SUSPEND" TP_PAD 3960.12,-2322.01 r90 top
TP16 "VBATT" TP_PAD 2960.12,-2282.64 r90 top
TP17 "VFS" TP_PAD 3239.65,-2259.02 r90 top
TP18 "WDT_OUT" TP_PAD -3631.32,13267.99 r90 top
TP19 "OSC+" TP_PAD_SMALL 2661.52,1639.76 r180 top
TP20 "OSC-" TP_PAD_SMALL 2762,1636.8 r180 top
TP21 "OSC_VCC" TP_PAD 2963.9,1636.8 r90 top
TP22 "PSYNC" TP_PAD_SMALL -2737.63,12676.44 r90 top
TP23 "PLE" TP_PAD_SMALL -3028.96,12719.74 r90 top
TP24 "PCLK" TP_PAD_SMALL -3316.36,12676.44 r90 top
TP25 "PMOSI" TP_PAD_SMALL -3607.7,12684.31 r90 top
TP26 "PMISO" TP_PAD_SMALL -3899.04,12684.31 r90 top
TP27 "PLOCK" TP_PAD_SMALL -4186.44,12676.44 r90 top
TP28 "FCL+" TP_PAD_TINY -821.63,5749.31 r90 top
TP29 "FCL-" TP_PAD_TINY -680.15,5699.4 r90 top
TP34 "PLL_VCC" TP_PAD 2375.8,2388.54 r180 top
TP35 "GND" TP_PAD -3493.49,10877.22 r90 top
TP36 "24V_RAW" TP_HOLE 11768.87,3752.23 r90 top
TP37 "24V_FUSE" TP_PAD 11537.74,3059 r180 top
TP38 "24V_FLT_CM" TP_PAD 10640.38,3160.98 r180 top
TP39 "24V_FLT_DM" TP_PAD 10761.14,3161.98 r180 top
TP40 "24V_IN" TP_HOLE 9927.5,4034.13 r90 top
TP41 "GND_RAW" TP_HOLE 11330,3291.73 r180 top
TP42 "GND_FLT_CM" TP_PAD -1591.93,10916.53 r90 top
TP43 "GND_FLT_DM" TP_PAD -1300.59,10916.53 r90 top
TP44 "GND_IN" TP_HOLE 10795.72,4061.63 r90 top
TP45 "+12V" TP_HOLE 8820,2455 r180 top
TP46 "GND" TP_HOLE 8820,2355 r180 top
TP47 "+5V" TP_HOLE 10057.46,350 r0 top
TP48 "ADC_OUT_CLK+" TP_PAD_TINY 1723.6,3042.5 r90 top
TP49 "ADC_RESET" TP_PAD 1421.02,3342.62 r90 top
TP50 "ADC_OUT_CLK-" TP_PAD_TINY 1723.6,2987.23 r90 top
TP51 "ADC_SCLK" TP_PAD 1342.28,3342.62 r180 top
TP52 "ADC_SEN" TP_PAD 1189.39,3341.83 r180 top
TP53 "ADC_MOSI" TP_PAD 1265.2,3341.83 r90 top
TP54 "ADC_MISO" TP_PAD 1655,3192.02 r90 top
TP55 "CTRL1" TP_PAD_SMALL 1302.7,2749.17 r90 top
TP56 "CTRL2" TP_PAD_SMALL 1344.79,2691.78 r90 top
TP57 "CTRL3" TP_PAD_SMALL 1359.78,2749.17 r90 top
TP58 "CM" TP_HOLE 1142.84,3041.79 r90 top
TP59 "INA+" TP_PAD_SMALL 1015.63,3189.46 r90 top
TP60 "IN_1" TP_HOLE 332.57,3070.68 r90 top
TP61 "GND" TP_HOLE 56.46,2990 r90 top
TP62 "INA-" TP_PAD_SMALL 1017.01,3057.19 r90 top
TP63 "INB+" TP_PAD_SMALL 1027.01,2917.14 r90 top
TP64 "IN_2" TP_HOLE 347.57,2471.91 r90 top
TP65 "INB-" TP_PAD_SMALL 1025.63,2781.72 r90 top
TP66 "OUTA-" TP_PAD_SMALL 732.5,1510.56 r90 top
TP67 "OUTA+" TP_PAD_SMALL 722.5,1244.25 r90 top
TP68 "OUT_1" TP_HOLE 375,1300 r90 top
TP69 "GND" TP_HOLE 104.07,1190.93 r90 top
TP70 "OUTB-" TP_PAD_SMALL 767.5,835.5 r90 top
TP71 "OUTB+" TP_PAD_SMALL 763.5,1025.71 r90 top
TP72 "OUT_2" TP_HOLE 380,710 r90 top
TP73 "DAC_SCLK" TP_PAD 1009.49,1518.36 r90 top
TP74 "DAC_SDIO" TP_PAD 1086.26,1518.36 r90 top
TP75 "DAC_RESET" TP_PAD 856.31,1518.36 r90 top
TP76 "DAC_CS" TP_PAD 935,1518.36 r180 top
TP77 "DAC_REF_CLK+" TP_PAD_TINY 1105.94,899.45 r0 top
TP78 "DAC_REF_CLK-" TP_PAD_TINY 1145.32,945.7 r0 top
TP79 "AOUT1" TP_HOLE 11790.56,1550.89 r90 top
TP80 "AOUT2" TP_HOLE 11787.37,1395.89 r90 top
TP81 "BOUT2" TP_HOLE 11787.68,930.89 r90 top
TP82 "BOUT1" TP_HOLE 11790.09,1089.03 r90 top
TP83 "GND_MOT" TP_HOLE 11169.51,1201.65 r90 top
TP85 "CANL" TP_PAD 11654.16,492.13 r90 top
TP86 "5V_CAN" TP_HOLE 11852.72,460 r0 top
TP87 "GND_CAN" TP_HOLE 11352.68,347.57 r0 top
TP88 "CANH" TP_PAD 11554.16,494.09 r90 top
TP89 "BTN1" TP_PAD 4184.1,-3592.54 r90 top
TP90 "SDA1" TP_PAD_SMALL 410.03,17805.58 r90 top
TP91 "SCL1" TP_PAD_SMALL 1977.68,16758.94 r90 top
TP92 "SDA2" TP_PAD_SMALL 1686.34,16751.06 r90 top
TP93 "BTN2" TP_PAD -2495,14035 r90 top
TP94 "SCL2" TP_PAD_SMALL 391.07,16455.79 r90 top
TP95 "SDA3" TP_PAD_SMALL 106.11,16531.39 r90 top
TP96 "SCL3" TP_PAD_SMALL -1152.98,16527.08 r90 top
TP97 "1WIRE" TP_PAD_SMALL -1613.61,16747.55 r90 top
TP98 "+5V0A" TP_HOLE 690.57,2580.89 r270 top
TP99 "+3V3A" TP_HOLE 693.19,2068.33 r90 top
TP100 "+6V" TP_HOLE 1632.55,1887.02 r180 top
TP101 "GND" TP_HOLE -4146.18,5705.11 r90 top
TP102 "-6V" TP_HOLE 2230.89,1179.99 r90 top
TP103 "GND" TP_PAD 7515.98,3155.7 r90 top
TP104 "-5V0A" TP_HOLE 362.57,3505 r90 top
TP105 "GND" TP_PAD -1531.4,-220 r90 top
TP106 "VREF_DDR" TP_HOLE 5492.88,632.55 r90 top
TP107 "REF_IN" TP_PAD_SMALL 920,17230 r90 top
TP108 "2V5" TP_HOLE 5321.04,1009.16 r90 top
TP109 "VTT" TP_HOLE 5212.11,647.55 r90 top
TP110 "GND" TP_HOLE 5212.11,850.84 r90 top
TP111 "VDDR" TP_HOLE 5213.44,1118.08 r90 top
TP112 "GND" TP_HOLE 5744.06,1610.64 r90 top
TP113 "+1V2D" TP_HOLE 6716.09,1627.32 r270 top
TP114 "+3V3D" TP_HOLE 9034.84,8806.88 r90 top
TP115 "+1V8D" TP_HOLE 6590,2769.06 r90 top
TP118 "GND" TP_HOLE -15958.37,20309.76 r90 top
TP119 "MOT_ADC" TP_PAD 10084.48,1614.56 r90 top
TP121 "+24V_MOT" TP_HOLE 10908.18,1500.38 r90 top
TP122 "+5V_MOT" TP_HOLE 10920.02,1751.1 r90 top
TP123 "GND_MOT" TP_HOLE 11251.55,2369.66 r90 top
TP125 "USB_VCC" TP_PAD 2424.22,-3725.37 r90 top
TP126 "GND" TP_PAD -2730,12250 r90 top
TP127 "VBUS" TP_PAD -3755,2250 r0 top
TP128 "D-" TP_PAD_TINY -6182.74,8057.76 r90 top
TP129 "D+" TP_PAD_TINY -6812.66,8057.76 r90 top
TP130 "USBVDDO" TP_PAD -2330,3890 r90 top
TP131 "GND_USB" TP_HOLE -9934.71,8034.14 r90 top
TP132 "RESET" TP_HOLE -10501.63,8073.51 r90 top
TP133 "VBUS_DET" TP_PAD_SMALL -1505,17615 r90 top
TP134 "RST_ETH" TP_PAD 4750.45,3838.37 r90 top
TP135 "XI" TP_PAD_TINY 4693.95,3481.16 r90 top
TP136 "XO" TP_PAD_TINY 4316.14,3490.27 r90 top
TP137 "GND_ETH" TP_HOLE 3614,3595.77 r90 top
TP138 "3V3D_ETH" TP_PAD 5167.29,3551.17 r0 top
TP139 "3V3A_ETH" TP_PAD 4463.56,3689.29 r90 top
TP140 "1V2_ETH" TP_PAD 4463.56,3772.12 r90 top
TP141 "GND" TP_PAD -1312.39,13294.53 r90 top
TP142 "ADCO" TP_PAD 7985,-1880 r90 top
TP143 "ADCI" TP_PAD 7165,-1640 r90 top
TP144 "3V3_SENSE" TP_PAD 8915,-740 r90 top
TP145 "GND" TP_PAD -2899.48,11973.84 r90 top
TP146 "12V_V" TP_PAD_SMALL 2280.83,16109.34 r90 top
TP147 "12V_I" TP_PAD_SMALL 1048.55,16109.34 r90 top
TP148 "1V2_I" TP_PAD_SMALL 1391.07,16109.34 r90 top
TP150 "-6V_I" TP_PAD_SMALL 270.4,16150.51 r90 top
TP151 "VDDR_V" TP_PAD_SMALL 485.56,15790.44 r90 top
TP152 "VTT_V" TP_PAD_SMALL 828.08,15810.13 r90 top
TP153 "3V3D_V" TP_PAD_SMALL -353.77,15861.74 r90 top
TP154 "+6V_V" TP_PAD_SMALL -11.25,15881.42 r90 top
TP155 "3V3D_I" TP_PAD_SMALL -1030.94,15869.61 r90 top
TP156 "+6V_I" TP_PAD_SMALL -692.35,15885.36 r90 top
TP157 "2V5D_V" TP_PAD_SMALL -1428.57,16082.21 r90 top
TP158 "2V5D_I" TP_PAD_SMALL -602.52,17471.38 r90 top
TP159 "1V8_I" TP_PAD_SMALL -260,17495 r90 top
TP161 "HSI0+" TP_PAD_TINY 2459.19,174.1 r180 top
TP162 "HSI0-" TP_PAD_TINY 2511.91,174.1 r225 top
TP163 "HSO0+" TP_PAD_TINY 2359.91,171.65 r225 top
TP164 "HOT_PLUG" TP_PAD_SMALL -138.02,17098.33 r90 top
TP165 "HSO0-" TP_PAD_TINY 2411.89,171.65 r180 top
TP166 "WAKE" TP_PAD_SMALL -1121.53,17160.95 r90 top
TP167 "PERST" TP_PAD_SMALL -782.95,17153.08 r90 top
TP168 "PRESENT" TP_PAD_SMALL -1464.05,17113.71 r90 top
TP169 "SMCLK" TP_PAD -694.33,13097.64 r90 top
TP170 "SMDAT" TP_PAD -351.81,13097.64 r90 top
TP171 "RCL+" TP_PAD_TINY 5567.45,-5289.63 r90 top
TP172 "RCL-" TP_PAD_TINY 4126.51,-5289.63 r90 top